# KiCad board uf2-batch-flasher.kicad_pcb (continued)
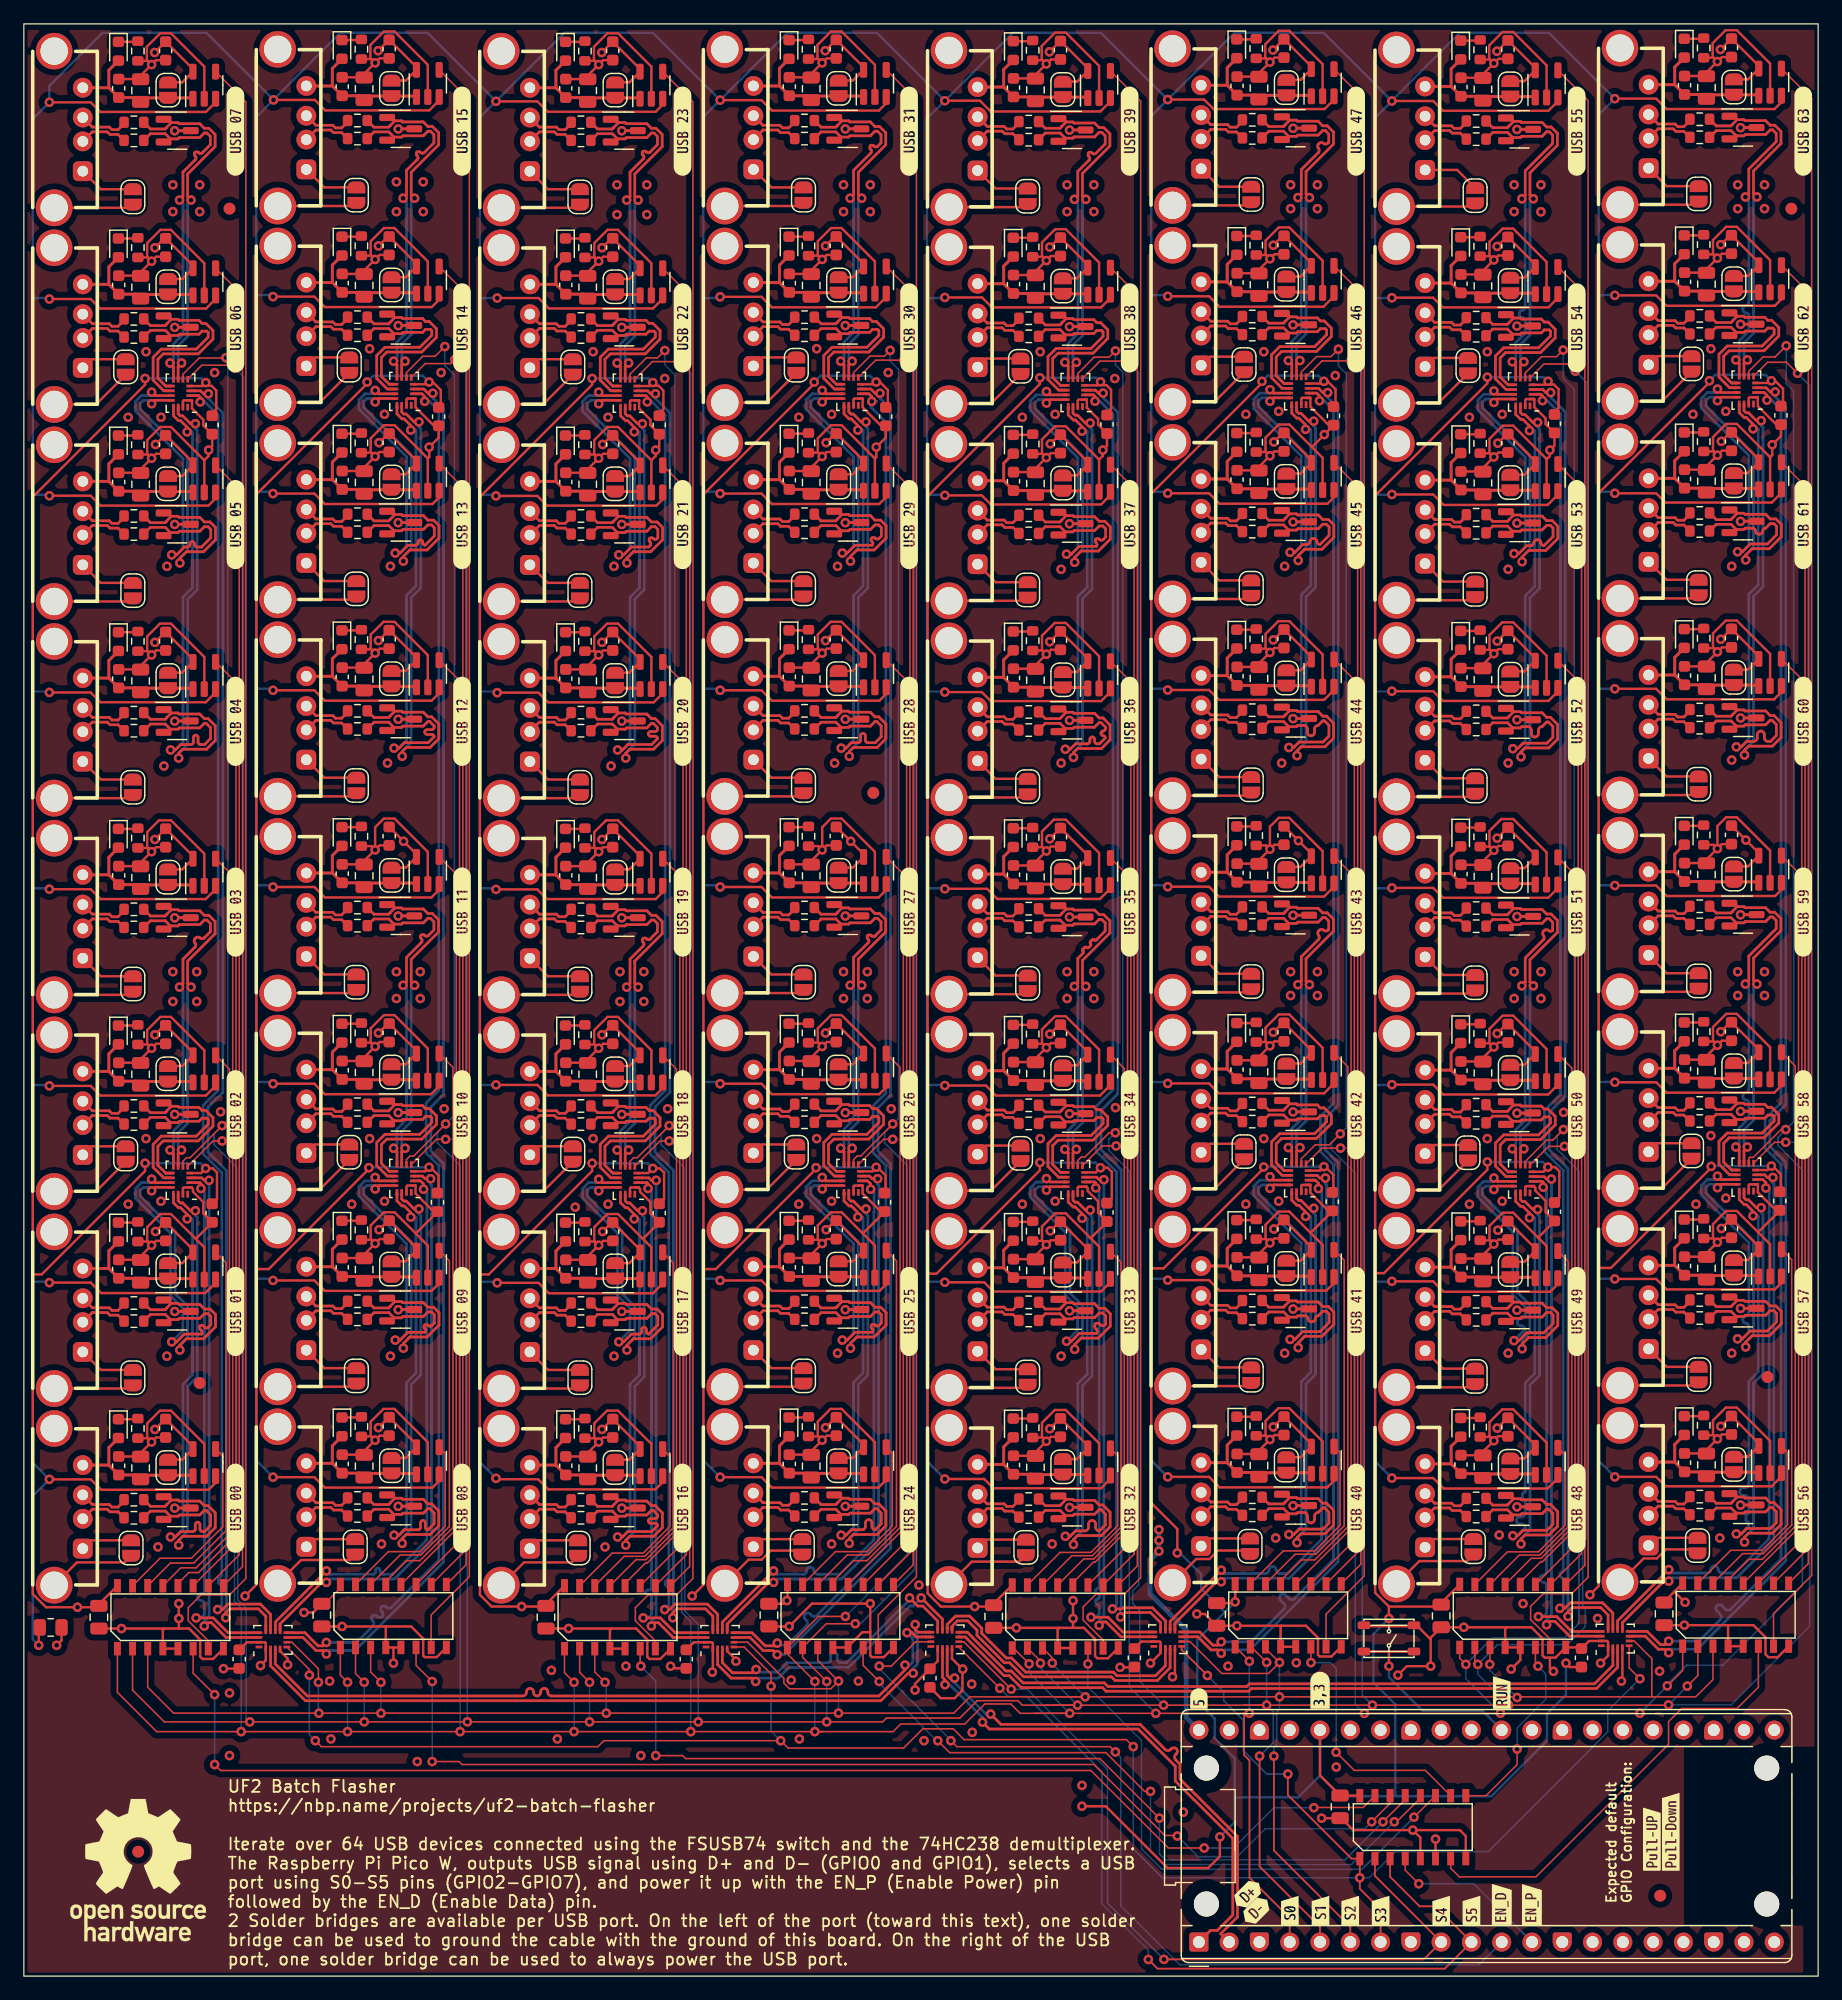
[diagram p0: board, top side]
## Placement (name value [footprint] x y rotation side) (continued)
R6003  2.2 Ohm  [R_0603_1608Metric]  84.29 71.52 0 top
R6004  2.2 Ohm  [R_0603_1608Metric]  84.29 73.04 0 top
R6102  120 Ohm  [R_0603_1608Metric]  84.62 95.51 270 top
R6103  2.2 Ohm  [R_0603_1608Metric]  84.29 88.02 0 top
R6104  2.2 Ohm  [R_0603_1608Metric]  84.29 89.54 0 top
R6202  120 Ohm  [R_0603_1608Metric]  103.37 161.68 270 top
R6203  2.2 Ohm  [R_0603_1608Metric]  103.04 154.18 0 top
R6204  2.2 Ohm  [R_0603_1608Metric]  103.04 155.7 0 top
R6302  120 Ohm  [R_0603_1608Metric]  84.62 62.49 270 top
R6303  2.2 Ohm  [R_0603_1608Metric]  84.29 55 0 top
R6304  2.2 Ohm  [R_0603_1608Metric]  84.29 56.52 0 top
R6402  120 Ohm  [R_0603_1608Metric]  84.62 161.53 270 top
R6403  2.2 Ohm  [R_0603_1608Metric]  84.29 154.03 0 top
R6404  2.2 Ohm  [R_0603_1608Metric]  84.29 155.55 0 top
R6602  120 Ohm  [R_0603_1608Metric]  122.15 112.06 270 top
R6603  2.2 Ohm  [R_0603_1608Metric]  121.82 104.57 0 top
R6604  2.2 Ohm  [R_0603_1608Metric]  121.82 106.09 0 top
R6702  120 Ohm  [R_0603_1608Metric]  122.15 128.56 270 top
R6703  2.2 Ohm  [R_0603_1608Metric]  121.82 121.06 0 top
R6704  2.2 Ohm  [R_0603_1608Metric]  121.82 122.58 0 top
R6802  120 Ohm  [R_0603_1608Metric]  140.9 79.22 270 top
R6803  2.2 Ohm  [R_0603_1608Metric]  140.57 71.72 0 top
R6804  2.2 Ohm  [R_0603_1608Metric]  140.57 73.24 0 top
R6902  120 Ohm  [R_0603_1608Metric]  122.15 62.54 270 top
R6903  2.2 Ohm  [R_0603_1608Metric]  121.82 55.05 0 top
R6904  2.2 Ohm  [R_0603_1608Metric]  121.82 56.57 0 top
R7002  120 Ohm  [R_0603_1608Metric]  122.15 79.07 270 top
R7003  2.2 Ohm  [R_0603_1608Metric]  121.82 71.57 0 top
R7004  2.2 Ohm  [R_0603_1608Metric]  121.82 73.09 0 top
R7202  120 Ohm  [R_0603_1608Metric]  140.9 112.22 270 top
R7203  2.2 Ohm  [R_0603_1608Metric]  140.57 104.72 0 top
R7204  2.2 Ohm  [R_0603_1608Metric]  140.57 106.24 0 top
R7302  120 Ohm  [R_0603_1608Metric]  140.9 95.72 270 top
R7303  2.2 Ohm  [R_0603_1608Metric]  140.57 88.22 0 top
R7304  2.2 Ohm  [R_0603_1608Metric]  140.57 89.74 0 top
R7402  120 Ohm  [R_0603_1608Metric]  122.15 161.58 270 top
R7403  2.2 Ohm  [R_0603_1608Metric]  121.82 154.08 0 top
R7404  2.2 Ohm  [R_0603_1608Metric]  121.82 155.6 0 top
R7502  120 Ohm  [R_0603_1608Metric]  140.9 46.2 270 top
R7503  2.2 Ohm  [R_0603_1608Metric]  140.57 38.7 0 top
R7504  2.2 Ohm  [R_0603_1608Metric]  140.57 40.22 0 top
R7602  120 Ohm  [R_0603_1608Metric]  140.9 145.24 270 top
R7603  2.2 Ohm  [R_0603_1608Metric]  140.57 137.74 0 top
R7604  2.2 Ohm  [R_0603_1608Metric]  140.57 139.26 0 top
R7702  120 Ohm  [R_0603_1608Metric]  140.9 128.71 270 top
R7703  2.2 Ohm  [R_0603_1608Metric]  140.57 121.21 0 top
R7704  2.2 Ohm  [R_0603_1608Metric]  140.57 122.73 0 top
R7902  120 Ohm  [R_0603_1608Metric]  122.15 145.09 270 top
R7903  2.2 Ohm  [R_0603_1608Metric]  121.82 137.59 0 top
R7904  2.2 Ohm  [R_0603_1608Metric]  121.82 139.11 0 top
R8002  120 Ohm  [R_0603_1608Metric]  122.15 95.56 270 top
R8003  2.2 Ohm  [R_0603_1608Metric]  121.82 88.07 0 top
R8004  2.2 Ohm  [R_0603_1608Metric]  121.82 89.59 0 top
R8202  120 Ohm  [R_0603_1608Metric]  140.9 62.69 270 top
R8203  2.2 Ohm  [R_0603_1608Metric]  140.57 55.2 0 top
R8204  2.2 Ohm  [R_0603_1608Metric]  140.57 56.72 0 top
R8302  120 Ohm  [R_0603_1608Metric]  140.9 161.73 270 top
R8303  2.2 Ohm  [R_0603_1608Metric]  140.57 154.23 0 top
R8304  2.2 Ohm  [R_0603_1608Metric]  140.57 155.75 0 top
R8402  120 Ohm  [R_0603_1608Metric]  122.15 46.05 270 top
R8403  2.2 Ohm  [R_0603_1608Metric]  121.82 38.55 0 top
R8404  2.2 Ohm  [R_0603_1608Metric]  121.82 40.07 0 top
SW101  SW_MEC_5E  [CUI_TS20]  114.5 28.25 0 top
SYM101  Logo_Open_Hardware_Large  [OSHW-Logo_11.4x12mm_SilkScreen]  9.58 8.9 0 top
U102  FSUSB74  [UQFN-16_2.1x2.9mm_P0.4mm]  77.25 28.25 90 top
U103  74HC238  [74HC238 - SOIC-16]  116.5 12.5 90 top
U104  RaspberryPi_Pico_W  [RaspberryPi_Pico_Common_THT_2]  122.69 11.75 90 top
U201  FSUSB74  [UQFN-16_2.1x2.9mm_P0.4mm]  20.89 28.21 90 top
U202  74HC238  [74HC238 - SOIC-16]  30.99 30.21 90 top
U203  74HC238  [74HC238 - SOIC-16]  12.29 30.11 90 top
U301  FSUSB74  [UQFN-16_2.1x2.9mm_P0.4mm]  13.14 66.76 180 top
U401  AP22804AW5-7  [SOT-23-5]  15.13 43.07 90 top
U501  AP22804AW5-7  [SOT-23-5]  15.13 59.57 90 top
U601  AP22804AW5-7  [SOT-23-5]  15.13 76.1 90 top
U701  AP22804AW5-7  [SOT-23-5]  15.13 92.59 90 top
U801  FSUSB74  [UQFN-16_2.1x2.9mm_P0.4mm]  13.14 132.77 180 top
U901  AP22804AW5-7  [SOT-23-5]  15.13 125.58 90 top
U1001  AP22804AW5-7  [SOT-23-5]  15.13 109.09 90 top
U1101  AP22804AW5-7  [SOT-23-5]  15.13 142.11 90 top
U1201  AP22804AW5-7  [SOT-23-5]  15.13 158.6 90 top
U1301  FSUSB74  [UQFN-16_2.1x2.9mm_P0.4mm]  31.89 66.91 180 top
U1401  AP22804AW5-7  [SOT-23-5]  33.88 76.25 90 top
U1501  AP22804AW5-7  [SOT-23-5]  33.88 92.74 90 top
U1601  AP22804AW5-7  [SOT-23-5]  33.88 43.22 90 top
U1701  AP22804AW5-7  [SOT-23-5]  33.88 59.72 90 top
U1801  FSUSB74  [UQFN-16_2.1x2.9mm_P0.4mm]  31.89 132.92 180 top
U1901  AP22804AW5-7  [SOT-23-5]  33.88 158.75 90 top
U2001  AP22804AW5-7  [SOT-23-5]  33.88 142.26 90 top
U2101  AP22804AW5-7  [SOT-23-5]  33.88 125.73 90 top
U2201  AP22804AW5-7  [SOT-23-5]  33.88 109.24 90 top
U2301  74HC238  [74HC238 - SOIC-16]  49.79 30.11 90 top
U2302  74HC238  [74HC238 - SOIC-16]  68.49 30.21 90 top
U2303  FSUSB74  [UQFN-16_2.1x2.9mm_P0.4mm]  58.39 28.21 90 top
U2401  AP22804AW5-7  [SOT-23-5]  52.63 109.09 90 top
U2501  AP22804AW5-7  [SOT-23-5]  71.38 142.26 90 top
U2601  AP22804AW5-7  [SOT-23-5]  71.38 125.73 90 top
U2701  FSUSB74  [UQFN-16_2.1x2.9mm_P0.4mm]  69.39 132.92 180 top
U2801  AP22804AW5-7  [SOT-23-5]  71.38 92.74 90 top
U2901  AP22804AW5-7  [SOT-23-5]  71.38 43.22 90 top
U3001  AP22804AW5-7  [SOT-23-5]  52.63 142.11 90 top
U3101  FSUSB74  [UQFN-16_2.1x2.9mm_P0.4mm]  50.64 66.76 180 top
U3201  AP22804AW5-7  [SOT-23-5]  71.38 76.25 90 top
U3301  AP22804AW5-7  [SOT-23-5]  71.38 59.72 90 top
U3401  AP22804AW5-7  [SOT-23-5]  52.63 59.57 90 top
U3501  FSUSB74  [UQFN-16_2.1x2.9mm_P0.4mm]  69.39 66.91 180 top
U3601  AP22804AW5-7  [SOT-23-5]  52.63 43.07 90 top
U3701  AP22804AW5-7  [SOT-23-5]  52.63 158.6 90 top
U3801  AP22804AW5-7  [SOT-23-5]  52.63 125.58 90 top
U3901  AP22804AW5-7  [SOT-23-5]  52.63 76.1 90 top
U4001  FSUSB74  [UQFN-16_2.1x2.9mm_P0.4mm]  50.64 132.77 180 top
U4101  AP22804AW5-7  [SOT-23-5]  52.63 92.59 90 top
U4201  AP22804AW5-7  [SOT-23-5]  71.38 158.75 90 top
U4301  AP22804AW5-7  [SOT-23-5]  71.38 109.24 90 top
U4401  74HC238  [74HC238 - SOIC-16]  87.35 30.16 90 top
U4402  74HC238  [74HC238 - SOIC-16]  106.05 30.26 90 top
U4403  FSUSB74  [UQFN-16_2.1x2.9mm_P0.4mm]  95.95 28.26 90 top
U4501  AP22804AW5-7  [SOT-23-5]  108.94 76.3 90 top
U4601  AP22804AW5-7  [SOT-23-5]  108.94 59.77 90 top
U4701  AP22804AW5-7  [SOT-23-5]  108.94 125.79 90 top
U4801  FSUSB74  [UQFN-16_2.1x2.9mm_P0.4mm]  88.2 66.81 180 top
U4901  AP22804AW5-7  [SOT-23-5]  90.19 43.13 90 top
U5001  FSUSB74  [UQFN-16_2.1x2.9mm_P0.4mm]  106.95 132.98 180 top
U5101  AP22804AW5-7  [SOT-23-5]  90.19 109.14 90 top
U5201  FSUSB74  [UQFN-16_2.1x2.9mm_P0.4mm]  106.95 66.96 180 top
U5301  AP22804AW5-7  [SOT-23-5]  108.94 92.79 90 top
U5401  AP22804AW5-7  [SOT-23-5]  108.94 43.28 90 top
U5501  AP22804AW5-7  [SOT-23-5]  90.19 125.64 90 top
U5601  AP22804AW5-7  [SOT-23-5]  90.19 142.17 90 top
U5701  AP22804AW5-7  [SOT-23-5]  108.94 109.29 90 top
U5801  AP22804AW5-7  [SOT-23-5]  108.94 142.32 90 top
U5901  FSUSB74  [UQFN-16_2.1x2.9mm_P0.4mm]  88.2 132.83 180 top
U6001  AP22804AW5-7  [SOT-23-5]  90.19 76.15 90 top
U6101  AP22804AW5-7  [SOT-23-5]  90.19 92.64 90 top
U6201  AP22804AW5-7  [SOT-23-5]  108.94 158.81 90 top
U6301  AP22804AW5-7  [SOT-23-5]  90.19 59.62 90 top
U6401  AP22804AW5-7  [SOT-23-5]  90.19 158.66 90 top
U6501  74HC238  [74HC238 - SOIC-16]  124.88 30.21 90 top
U6502  74HC238  [74HC238 - SOIC-16]  143.58 30.31 90 top
U6503  FSUSB74  [UQFN-16_2.1x2.9mm_P0.4mm]  133.48 28.31 90 top
U6601  AP22804AW5-7  [SOT-23-5]  127.72 109.19 90 top
U6701  AP22804AW5-7  [SOT-23-5]  127.72 125.69 90 top
U6801  AP22804AW5-7  [SOT-23-5]  146.47 76.35 90 top
U6901  AP22804AW5-7  [SOT-23-5]  127.72 59.67 90 top
U7001  AP22804AW5-7  [SOT-23-5]  127.72 76.2 90 top
U7101  FSUSB74  [UQFN-16_2.1x2.9mm_P0.4mm]  125.73 132.88 180 top
U7201  AP22804AW5-7  [SOT-23-5]  146.47 109.34 90 top
U7301  AP22804AW5-7  [SOT-23-5]  146.47 92.84 90 top
U7401  AP22804AW5-7  [SOT-23-5]  127.72 158.71 90 top
U7501  AP22804AW5-7  [SOT-23-5]  146.47 43.33 90 top
U7601  AP22804AW5-7  [SOT-23-5]  146.47 142.37 90 top
U7701  AP22804AW5-7  [SOT-23-5]  146.47 125.84 90 top
U7801  FSUSB74  [UQFN-16_2.1x2.9mm_P0.4mm]  144.48 133.03 180 top
U7901  AP22804AW5-7  [SOT-23-5]  127.72 142.22 90 top
U8001  AP22804AW5-7  [SOT-23-5]  127.72 92.69 90 top
U8101  FSUSB74  [UQFN-16_2.1x2.9mm_P0.4mm]  144.48 67.01 180 top
U8201  AP22804AW5-7  [SOT-23-5]  146.47 59.82 90 top
U8301  AP22804AW5-7  [SOT-23-5]  146.47 158.86 90 top
U8401  AP22804AW5-7  [SOT-23-5]  127.72 43.18 90 top
U8501  FSUSB74  [UQFN-16_2.1x2.9mm_P0.4mm]  125.73 66.86 180 top

## Library data of the parts
C101 C201 C202 C402 C502 C602 C702 C902 C1002 C1102 C1202 C1402 C1502 C1602 C1702 C1902 C2002 C2102 C2202 C2301 C2302 C2402 C2502 C2602 C2802 C2902 C3002 C3202 C3302 C3402 C3602 C3702 C3802 C3902 C4102 C4202 C4302 C4401 C4402 C4502 C4602 C4702 C4902 C5102 C5302 C5402 C5502 C5602 C5702 C5802 C6002 C6102 C6202 C6302 C6402 C6501 C6502 C6602 C6702 C6802 C6902 C7002 C7202 C7302 C7402 C7502 C7602 C7702 C7902 C8002 C8202 C8302 C8402 = -: Description: Unpolarized capacitor; In Stock: Yes; Vendor: https://www.mouser.fr/ProductDetail/KEMET/C0805C104M5RAC?qs=VOOUd%252Bza08rWzt4y8eXMuQ%3D%3D&countryCode=DE&currencyCode=EUR
C102 C203 C301 C801 C1301 C1801 C2303 C2701 C3101 C3501 C4001 C4403 C4801 C5001 C5201 C5901 C6503 C7101 C7801 C8101 C8501 = -: Description: Unpolarized capacitor; In Stock: Yes; Vendor: https://www.mouser.fr/ProductDetail/Samsung-Electro-Mechanics/CL10C102JB8NNNC?qs=349EhDEZ59q5Anpq%2FC%2Fv%2FQ%3D%3D&countryCode=DE&currencyCode=EUR
C401 C501 C601 C701 C901 C1001 C1101 C1201 C1401 C1501 C1601 C1701 C1901 C2001 C2101 C2201 C2401 C2501 C2601 C2801 C2901 C3001 C3201 C3301 C3401 C3601 C3701 C3801 C3901 C4101 C4201 C4301 C4501 C4601 C4701 C4901 C5101 C5301 C5401 C5501 C5601 C5701 C5801 C6001 C6101 C6201 C6301 C6401 C6601 C6701 C6801 C6901 C7001 C7201 C7301 C7401 C7501 C7601 C7701 C7901 C8001 C8201 C8301 C8401 = -: Description: Unpolarized capacitor; Vendor: https://www.mouser.fr/ProductDetail/Samsung-Electro-Mechanics/CL10A105KA8NNNC?qs=sGAEpiMZZMsh%252B1woXyUXj9g54gsRQVPn13zIiMFqg8Y%3D
C405 C505 C605 C705 C905 C1005 C1105 C1205 C1405 C1505 C1605 C1705 C1905 C2005 C2105 C2205 C2405 C2505 C2605 C2805 C2905 C3005 C3205 C3305 C3405 C3605 C3705 C3805 C3905 C4105 C4205 C4305 C4505 C4605 C4705 C4905 C5105 C5305 C5405 C5505 C5605 C5705 C5805 C6005 C6105 C6205 C6305 C6405 C6605 C6705 C6805 C6905 C7005 C7205 C7305 C7405 C7505 C7605 C7705 C7905 C8005 C8205 C8305 C8405 = -: Description: Unpolarized capacitor; Vendor: https://www.mouser.fr/ProductDetail/Murata-Electronics/GRM188R61A226ME15J?qs=QzBtWTOodeUZmjqoH8BLhQ%3D%3D
D401 D501 D601 D701 D901 D1001 D1101 D1201 D1401 D1501 D1601 D1701 D1901 D2001 D2101 D2201 D2401 D2501 D2601 D2801 D2901 D3001 D3201 D3301 D3401 D3601 D3701 D3801 D3901 D4101 D4201 D4301 D4501 D4601 D4701 D4901 D5101 D5301 D5401 D5501 D5601 D5701 D5801 D6001 D6101 D6201 D6301 D6401 D6601 D6701 D6801 D6901 D7001 D7201 D7301 D7401 D7501 D7601 D7701 D7901 D8001 D8201 D8301 D8401 = -: Description: Light emitting diode; Vendor: https://www.mouser.fr/ProductDetail/Wurth-Elektronik/150060GS75000?qs=LlUlMxKIyB0UYkq5lDO8nA%3D%3D
D402 D502 D602 D702 D902 D1002 D1102 D1202 D1402 D1502 D1602 D1702 D1902 D2002 D2102 D2202 D2402 D2502 D2602 D2802 D2902 D3002 D3202 D3302 D3402 D3602 D3702 D3802 D3902 D4102 D4202 D4302 D4502 D4602 D4702 D4902 D5102 D5302 D5402 D5502 D5602 D5702 D5802 D6002 D6102 D6202 D6302 D6402 D6602 D6702 D6802 D6902 D7002 D7202 D7302 D7402 D7502 D7602 D7702 D7902 D8002 D8202 D8302 D8402 = -: Vendor: https://www.mouser.fr/ProductDetail/Nexperia/PESD2USB3UVT-QR?qs=3Rah4i%252BhyCFPJOQFghMZ%252BQ%3D%3D
FID101-FID107 = -: Description: Fiducial Marker
J401 J501 J601 J701 J901 J1001 J1101 J1201 J1401 J1501 J1601 J1701 J1901 J2001 J2101 J2201 J2401 J2501 J2601 J2801 J2901 J3001 J3201 J3301 J3401 J3601 J3701 J3801 J3901 J4101 J4201 J4301 J4501 J4601 J4701 J4901 J5101 J5301 J5401 J5501 J5601 J5701 J5801 J6001 J6101 J6201 J6301 J6401 J6601 J6701 J6801 J6901 J7001 J7201 J7301 J7401 J7501 J7601 J7701 J7901 J8001 J8201 J8301 J8401 = -: Description: USB Type A connector; Alternative Vendor: https://www.mouser.fr/ProductDetail/Amphenol-FCI/87583-3010RPALF?qs=nBv%252BRDKgYU12SV7JkWVR7Q%3D%3D; Vendor: https://www.mouser.fr/ProductDetail/GCT/USB1040-GF-L-B?qs=KUoIvG%2F9IlYqiLIcchup7w%3D%3D
JP401 JP402 JP501 JP502 JP601 JP602 JP701 JP702 JP901 JP902 JP1001 JP1002 JP1101 JP1102 JP1201 JP1202 JP1401 JP1402 JP1501 JP1502 JP1601 JP1602 JP1701 JP1702 JP1901 JP1902 JP2001 JP2002 JP2101 JP2102 JP2201 JP2202 JP2401 JP2402 JP2501 JP2502 JP2601 JP2602 JP2801 JP2802 JP2901 JP2902 JP3001 JP3002 JP3201 JP3202 JP3301 JP3302 JP3401 JP3402 JP3601 JP3602 JP3701 JP3702 JP3801 JP3802 JP3901 JP3902 JP4101 JP4102 JP4201 JP4202 JP4301 JP4302 JP4501 JP4502 JP4601 JP4602 JP4701 JP4702 JP4901 JP4902 JP5101 JP5102 JP5301 JP5302 JP5401 JP5402 JP5501 JP5502 JP5601 JP5602 JP5701 JP5702 JP5801 JP5802 JP6001 JP6002 JP6101 JP6102 JP6201 JP6202 JP6301 JP6302 JP6401 JP6402 JP6601 JP6602 JP6701 JP6702 JP6801 JP6802 JP6901 JP6902 JP7001 JP7002 JP7201 JP7202 JP7301 JP7302 JP7401 JP7402 JP7501 JP7502 JP7601 JP7602 JP7701 JP7702 JP7901 JP7902 JP8001 JP8002 JP8201 JP8202 JP8301 JP8302 JP8401 JP8402 = -: Description: Solder Jumper, 2-pole, open; Vendor: N/A
R101 = -: Description: Resistor; In Stock: Yes; Vendor: https://www.mouser.fr/ProductDetail/Xicon/292-10K-RC?qs=Re2iOo0tCjCKUDxknGb2xQ%3D%3D&countryCode=DE&currencyCode=EUR
R401 R502 R602 R702 R902 R1002 R1102 R1202 R1402 R1502 R1602 R1702 R1902 R2002 R2102 R2202 R2402 R2502 R2602 R2802 R2902 R3002 R3202 R3302 R3402 R3602 R3702 R3802 R3902 R4102 R4202 R4302 R4502 R4602 R4702 R4902 R5102 R5302 R5402 R5502 R5602 R5702 R5802 R6002 R6102 R6202 R6302 R6402 R6602 R6702 R6802 R6902 R7002 R7202 R7302 R7402 R7502 R7602 R7702 R7902 R8002 R8202 R8302 R8402 = -: Description: Resistor; Vendor: https://www.mouser.fr/ProductDetail/Royalohm/0603WAF1200T5E?qs=e8oIoAS2J1TIzlbaXq7mcg%3D%3D
R403 R404 R503 R504 R603 R604 R703 R704 R903 R904 R1003 R1004 R1103 R1104 R1203 R1204 R1403 R1404 R1503 R1504 R1603 R1604 R1703 R1704 R1903 R1904 R2003 R2004 R2103 R2104 R2203 R2204 R2403 R2404 R2503 R2504 R2603 R2604 R2803 R2804 R2903 R2904 R3003 R3004 R3203 R3204 R3303 R3304 R3403 R3404 R3603 R3604 R3703 R3704 R3803 R3804 R3903 R3904 R4103 R4104 R4203 R4204 R4303 R4304 R4503 R4504 R4603 R4604 R4703 R4704 R4903 R4904 R5103 R5104 R5303 R5304 R5403 R5404 R5503 R5504 R5603 R5604 R5703 R5704 R5803 R5804 R6003 R6004 R6103 R6104 R6203 R6204 R6303 R6304 R6403 R6404 R6603 R6604 R6703 R6704 R6803 R6804 R6903 R6904 R7003 R7004 R7203 R7204 R7303 R7304 R7403 R7404 R7503 R7504 R7603 R7604 R7703 R7704 R7903 R7904 R8003 R8004 R8203 R8204 R8303 R8304 R8403 R8404 = -: Description: Resistor; Vendor: https://www.mouser.fr/ProductDetail/Royalohm/0603WAF220KT5E?qs=sGAEpiMZZMtlubZbdhIBIDH%2FP7BvsepR88I%252BTpE5rCU%3D
SW101 = -: Description: MEC 5E single pole normally-open tactile switch; In Stock: Yes; Vendor: https://eu.mouser.com/ProductDetail/CUI-Devices/TS20-42-25-WT-160-SMT-TR?qs=tlsG%2FOw5FFiXbig16X7ymQ%3D%3D&countryCode=DE&currencyCode=EUR
SYM101 = -: Description: Open Hardware logo, large; Sim.Enable: 0
U102 U201 U301 U801 U1301 U1801 U2303 U2701 U3101 U3501 U4001 U4403 U4801 U5001 U5201 U5901 U6503 U7101 U7801 U8101 U8501 = -: Description: High-Speed USB Multiplexer / Switch; Vendor: https://www.mouser.fr/ProductDetail/onsemi-Fairchild/FSUSB74UMX?qs=1%252BQrTMB6OPVrNesV8V0QrA%3D%3D
U103 U202 U203 U2301 U2302 U4401 U4402 U6501 U6502 = -: Description: 3-to-8 line decoder/multiplexer, DIP-16/SOIC-16/SSOP-16; Vendor: https://www.mouser.fr/ProductDetail/onsemi/MC74HC238ADR2G?qs=mB5q98eOMcZ0NySN02wfbQ%3D%3D
U104 = -: Description: Versatile and inexpensive wireless microcontroller module powered by RP2040 dual-core Arm Cortex-M0+ processor up to 133 MHz, 264kB SRAM, 2MB QSPI flash, Infineon CYW43439 2.4GHz 802.11n wireless LAN; Vendor: https://www.mouser.fr/ProductDetail/Raspberry-Pi/SC0918?qs=sGAEpiMZZMtTz4c6chlxkMBV999dnzqSEmtzDbd2BsxHIUA4%2FWSilw%3D%3D
U401 U501 U601 U701 U901 U1001 U1101 U1201 U1401 U1501 U1601 U1701 U1901 U2001 U2101 U2201 U2401 U2501 U2601 U2801 U2901 U3001 U3201 U3301 U3401 U3601 U3701 U3801 U3901 U4101 U4201 U4301 U4501 U4601 U4701 U4901 U5101 U5301 U5401 U5501 U5601 U5701 U5801 U6001 U6101 U6201 U6301 U6401 U6601 U6701 U6801 U6901 U7001 U7201 U7301 U7401 U7501 U7601 U7701 U7901 U8001 U8201 U8301 U8401 = -: Description: Current limited 3A power switch, single channel, SOT-23-5; Vendor: https://eu.mouser.com/ProductDetail/Diodes-Incorporated/AP22804AW5-7?qs=lqAf%2FiVYw9hgcUuNhFapmA%3D%3D

## Footprints (pads in the part's own frame, mm; a bottom-side part is the same pattern mirrored in y, then rotated)
74HC238 - SOIC-16
  rect 1.12x0.58 smd: 1(-2.64,4.445) 2(-2.64,3.175) 3(-2.64,1.905) 4(-2.64,0.635) 5(-2.64,-0.635) 6(-2.64,-1.905) 7(-2.64,-3.175) 8(-2.64,-4.445) 9(2.64,-4.445) 10(2.64,-3.175) 11(2.64,-1.905) 12(2.64,-0.635) 13(2.64,0.635) 14(2.64,1.905) 15(2.64,3.175) 16(2.64,4.445)
C_0603_1608Metric
  rrect 0.9x0.95 smd: 1(-0.775,0) 2(0.775,0)
C_0805_2012Metric
  rrect 1x1.45 smd: 1(-0.95,0) 2(0.95,0)
CUI_TS20
  rrect 1.05x0.65 smd: 1(-2.1,1.179) 2(2.1,1.179) 3(-2.1,-1.021) 4(2.1,-1.021)
Fiducial_1mm_Mask2mm
  round 1 smd: (0,0)
LED_0603_1608Metric
  rrect 0.875x0.95 smd: 1(-0.787,0) 2(0.787,0)
R_0603_1608Metric
  rrect 0.8x0.95 smd: 1(-0.825,0) 2(0.825,0)
R_0805_2012Metric
  rrect 1.025x1.4 smd: 1(-0.912,0) 2(0.912,0)
RaspberryPi_Pico_Common_THT_2
  round 3.8 hole 2.1 unplated: (-5.7,23.5) (-5.7,-23.5) (5.7,23.5) (5.7,-23.5)
  rrect 1.6x1.6 hole 1: 1(-8.89,24.13)
  round 1.6 hole 1: 2(-8.89,21.59) 4(-8.89,16.51) 5(-8.89,13.97) 6(-8.89,11.43) 7(-8.89,8.89) 9(-8.89,3.81) 10(-8.89,1.27) 11(-8.89,-1.27) 12(-8.89,-3.81) 14(-8.89,-8.89) 15(-8.89,-11.43) 16(-8.89,-13.97) 17(-8.89,-16.51) 19(-8.89,-21.59) 20(-8.89,-24.13) 21(8.89,-24.13) 22(8.89,-21.59) 24(8.89,-16.51) 25(8.89,-13.97) 26(8.89,-11.43) 27(8.89,-8.89) 29(8.89,-3.81) 30(8.89,-1.27) 31(8.89,1.27) 32(8.89,3.81) 34(8.89,8.89) 35(8.89,11.43) 36(8.89,13.97) 37(8.89,16.51) 39(8.89,21.59) 40(8.89,24.13)
  custom 1.6x1.6 hole 1: 3(-8.89,19.05) 8(-8.89,6.35) 13(-8.89,-6.35) 18(-8.89,-19.05) 23(8.89,-19.05) 28(8.89,-6.35) 33(8.89,6.35) 38(8.89,19.05)
SolderJumper-2_P1.3mm_Open_RoundedPad1.0x1.5mm
  custom 1x1.5 smd: 1(-0.65,0) 2(0.65,0)
SOT-23-3
  rrect 1.325x0.6 smd: 1(-1.137,0.95) 2(-1.137,-0.95) 3(1.137,0)
SOT-23-5
  rrect 1.325x0.6 smd: 1(-1.137,0.95) 2(-1.137,0) 3(-1.137,-0.95) 4(1.137,-0.95) 5(1.137,0.95)
UQFN-16_2.1x2.9mm_P0.4mm
  rect 0.563x0.225 smd: 1(-0.768,0.6) 2(-0.768,0.2) 3(-0.768,-0.2) 4(-0.768,-0.6) 9(0.768,-0.6) 10(0.768,-0.2) 11(0.768,0.2) 12(0.768,0.6)
  rect 0.225x0.563 smd: 5(-0.6,-1.169) 6(-0.2,-1.169) 7(0.2,-1.169) 8(0.6,-1.169) 13(0.6,1.169) 14(0.2,1.169) 15(-0.2,1.169) 16(-0.6,1.169)
USB A - GCT - USB1040 - Vertical
  round 1.662 hole 0.9: 1(-3.5,0) 2(-1,0) 3(1,0)
  rrect 1.662x1.662 hole 0.9: 4(3.5,0)
  round 3.082 hole 2.3: 5(6.57,-2.4)
  round 3.062 hole 2.3: 6(-6.57,-2.4)

## Nets
+3V3: C101.1 C102.1 C201.1 C202.1 C203.1 C301.1 C801.1 C1301.1 C1801.1 C2301.1 C2302.1 C2303.1 C2701.1 C3101.1 C3501.1 C4001.1 C4401.1 C4402.1 C4403.1 C4801.1 C5001.1 C5201.1 C5901.1 C6501.1 C6502.1 C6503.1 C7101.1 C7801.1 C8101.1 C8501.1 U102.4 U103.6 U103.16 U104.36 U201.4 U202.16 U203.16 U301.4 U801.4 U1301.4 U1801.4 U2301.16 U2302.16 U2303.4 U2701.4 U3101.4 U3501.4 U4001.4 U4401.16 U4402.16 U4403.4 U4801.4 U5001.4 U5201.4 U5901.4 U6501.16 U6502.16 U6503.4 U7101.4 U7801.4 U8101.4 U8501.4
+5V: C401.1 C501.1 C601.1 C701.1 C901.1 C1001.1 C1101.1 C1201.1 C1401.1 C1501.1 C1601.1 C1701.1 C1901.1 C2001.1 C2101.1 C2201.1 C2401.1 C2501.1 C2601.1 C2801.1 C2901.1 C3001.1 C3201.1 C3301.1 C3401.1 C3601.1 C3701.1 C3801.1 C3901.1 C4101.1 C4201.1 C4301.1 C4501.1 C4601.1 C4701.1 C4901.1 C5101.1 C5301.1 C5401.1 C5501.1 C5601.1 C5701.1 C5801.1 C6001.1 C6101.1 C6201.1 C6301.1 C6401.1 C6601.1 C6701.1 C6801.1 C6901.1 C7001.1 C7201.1 C7301.1 C7401.1 C7501.1 C7601.1 C7701.1 C7901.1 C8001.1 C8201.1 C8301.1 C8401.1 JP402.2 JP502.2 JP602.2 JP702.2 JP902.2 JP1002.2 JP1102.2 JP1202.2 JP1402.2 JP1502.2 JP1602.2 JP1702.2 JP1902.2 JP2002.2 JP2102.2 JP2202.2 JP2402.2 JP2502.2 JP2602.2 JP2802.2 JP2902.2 JP3002.2 JP3202.2 JP3302.2 JP3402.2 JP3602.2 JP3702.2 JP3802.2 JP3902.2 JP4102.2 JP4202.2 JP4302.2 JP4502.2 JP4602.2 JP4702.2 JP4902.2 JP5102.2 JP5302.2 JP5402.2 JP5502.2 JP5602.2 JP5702.2 JP5802.2 JP6002.2 JP6102.2 JP6202.2 JP6302.2 JP6402.2 JP6602.2 JP6702.2 JP6802.2 JP6902.2 JP7002.2 JP7202.2 JP7302.2 JP7402.2 JP7502.2 JP7602.2 JP7702.2 JP7902.2 JP8002.2 JP8202.2 JP8302.2 JP8402.2 R101.1 U104.40 U401.5 U501.5 U601.5 U701.5 U901.5 U1001.5 U1101.5 U1201.5 U1401.5 U1501.5 U1601.5 U1701.5 U1901.5 U2001.5 U2101.5 U2201.5 U2401.5 U2501.5 U2601.5 U2801.5 U2901.5 U3001.5 U3201.5 U3301.5 U3401.5 U3601.5 U3701.5 U3801.5 U3901.5 U4101.5 U4201.5 U4301.5 U4501.5 U4601.5 U4701.5 U4901.5 U5101.5 U5301.5 U5401.5 U5501.5 U5601.5 U5701.5 U5801.5 U6001.5 U6101.5 U6201.5 U6301.5 U6401.5 U6601.5 U6701.5 U6801.5 U6901.5 U7001.5 U7201.5 U7301.5 U7401.5 U7501.5 U7601.5 U7701.5 U7901.5 U8001.5 U8201.5 U8301.5 U8401.5
/16usb-ports0/4usb-port0/usb-port0/VBUS: C402.1 C405.1 D401.2 J401.1 JP402.1 U401.1
/16usb-ports0/4usb-port0/usb-port1/VBUS: C502.1 C505.1 D501.2 J501.1 JP502.1 U501.1
/16usb-ports0/4usb-port0/usb-port2/VBUS: C602.1 C605.1 D601.2 J601.1 JP602.1 U601.1
/16usb-ports0/4usb-port0/usb-port3/VBUS: C702.1 C705.1 D701.2 J701.1 JP702.1 U701.1
/16usb-ports0/4usb-port1/usb-port0/VBUS: C1002.1 C1005.1 D1001.2 J1001.1 JP1002.1 U1001.1
/16usb-ports0/4usb-port1/usb-port1/VBUS: C902.1 C905.1 D901.2 J901.1 JP902.1 U901.1
/16usb-ports0/4usb-port1/usb-port2/VBUS: C1102.1 C1105.1 D1101.2 J1101.1 JP1102.1 U1101.1
/16usb-ports0/4usb-port1/usb-port3/VBUS: C1202.1 C1205.1 D1201.2 J1201.1 JP1202.1 U1201.1
/16usb-ports0/4usb-port2/usb-port0/VBUS: C1602.1 C1605.1 D1601.2 J1601.1 JP1602.1 U1601.1
/16usb-ports0/4usb-port2/usb-port1/VBUS: C1702.1 C1705.1 D1701.2 J1701.1 JP1702.1 U1701.1
/16usb-ports0/4usb-port2/usb-port2/VBUS: C1402.1 C1405.1 D1401.2 J1401.1 JP1402.1 U1401.1
/16usb-ports0/4usb-port2/usb-port3/VBUS: C1502.1 C1505.1 D1501.2 J1501.1 JP1502.1 U1501.1
/16usb-ports0/4usb-port3/usb-port0/VBUS: C2202.1 C2205.1 D2201.2 J2201.1 JP2202.1 U2201.1
/16usb-ports0/4usb-port3/usb-port1/VBUS: C2102.1 C2105.1 D2101.2 J2101.1 JP2102.1 U2101.1
/16usb-ports0/4usb-port3/usb-port2/VBUS: C2002.1 C2005.1 D2001.2 J2001.1 JP2002.1 U2001.1
/16usb-ports0/4usb-port3/usb-port3/VBUS: C1902.1 C1905.1 D1901.2 J1901.1 JP1902.1 U1901.1
/16usb-ports1/4usb-port0/usb-port0/VBUS: C3602.1 C3605.1 D3601.2 J3601.1 JP3602.1 U3601.1
/16usb-ports1/4usb-port0/usb-port1/VBUS: C3402.1 C3405.1 D3401.2 J3401.1 JP3402.1 U3401.1
/16usb-ports1/4usb-port0/usb-port2/VBUS: C3902.1 C3905.1 D3901.2 J3901.1 JP3902.1 U3901.1
/16usb-ports1/4usb-port0/usb-port3/VBUS: C4102.1 C4105.1 D4101.2 J4101.1 JP4102.1 U4101.1
/16usb-ports1/4usb-port1/usb-port0/VBUS: C2402.1 C2405.1 D2401.2 J2401.1 JP2402.1 U2401.1
/16usb-ports1/4usb-port1/usb-port1/VBUS: C3802.1 C3805.1 D3801.2 J3801.1 JP3802.1 U3801.1
/16usb-ports1/4usb-port1/usb-port2/VBUS: C3002.1 C3005.1 D3001.2 J3001.1 JP3002.1 U3001.1
/16usb-ports1/4usb-port1/usb-port3/VBUS: C3702.1 C3705.1 D3701.2 J3701.1 JP3702.1 U3701.1
/16usb-ports1/4usb-port2/usb-port0/VBUS: C2902.1 C2905.1 D2901.2 J2901.1 JP2902.1 U2901.1
/16usb-ports1/4usb-port2/usb-port1/VBUS: C3302.1 C3305.1 D3301.2 J3301.1 JP3302.1 U3301.1
/16usb-ports1/4usb-port2/usb-port2/VBUS: C3202.1 C3205.1 D3201.2 J3201.1 JP3202.1 U3201.1
/16usb-ports1/4usb-port2/usb-port3/VBUS: C2802.1 C2805.1 D2801.2 J2801.1 JP2802.1 U2801.1
/16usb-ports1/4usb-port3/usb-port0/VBUS: C4302.1 C4305.1 D4301.2 J4301.1 JP4302.1 U4301.1
/16usb-ports1/4usb-port3/usb-port1/VBUS: C2602.1 C2605.1 D2601.2 J2601.1 JP2602.1 U2601.1
/16usb-ports1/4usb-port3/usb-port2/VBUS: C2502.1 C2505.1 D2501.2 J2501.1 JP2502.1 U2501.1
/16usb-ports1/4usb-port3/usb-port3/VBUS: C4202.1 C4205.1 D4201.2 J4201.1 JP4202.1 U4201.1
/16usb-ports2/4usb-port0/usb-port0/VBUS: C4902.1 C4905.1 D4901.2 J4901.1 JP4902.1 U4901.1
/16usb-ports2/4usb-port0/usb-port1/VBUS: C6302.1 C6305.1 D6301.2 J6301.1 JP6302.1 U6301.1
/16usb-ports2/4usb-port0/usb-port2/VBUS: C6002.1 C6005.1 D6001.2 J6001.1 JP6002.1 U6001.1
/16usb-ports2/4usb-port0/usb-port3/VBUS: C6102.1 C6105.1 D6101.2 J6101.1 JP6102.1 U6101.1
/16usb-ports2/4usb-port1/usb-port0/VBUS: C5102.1 C5105.1 D5101.2 J5101.1 JP5102.1 U5101.1
/16usb-ports2/4usb-port1/usb-port1/VBUS: C5502.1 C5505.1 D5501.2 J5501.1 JP5502.1 U5501.1